# Altium PCB HeaterController.PcbDoc
Units mm, origin at the board's own origin, x right, y up, seen from the top; angles counter-clockwise.
Board outline 79 x 34 mm, 2 copper layers (Top Layer, Bottom Layer); 8 components, 9 nets, 22 pads, 0 vias.
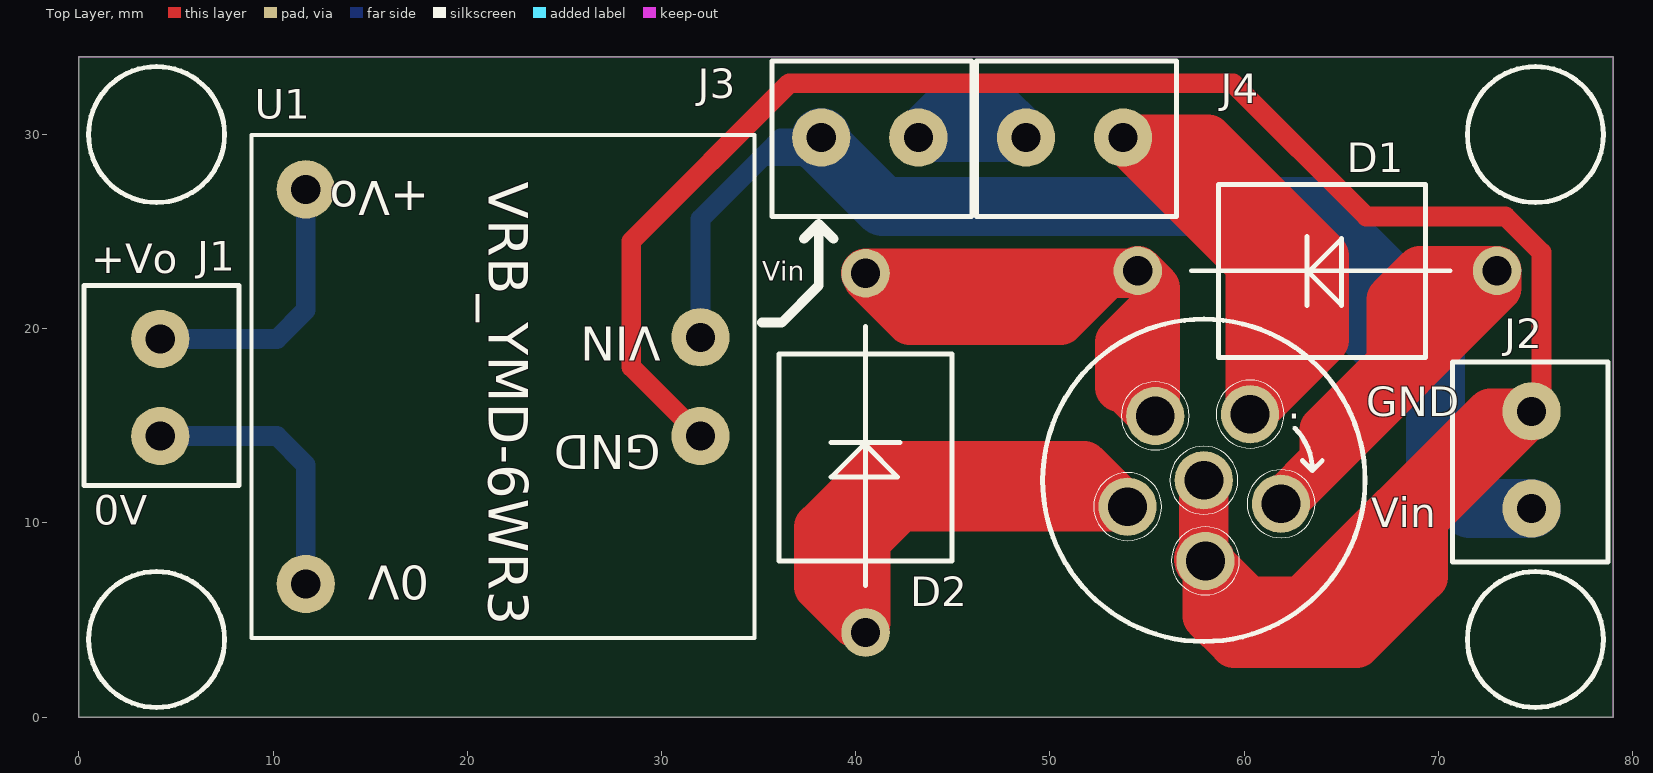
[diagram p0: Top Layer view]
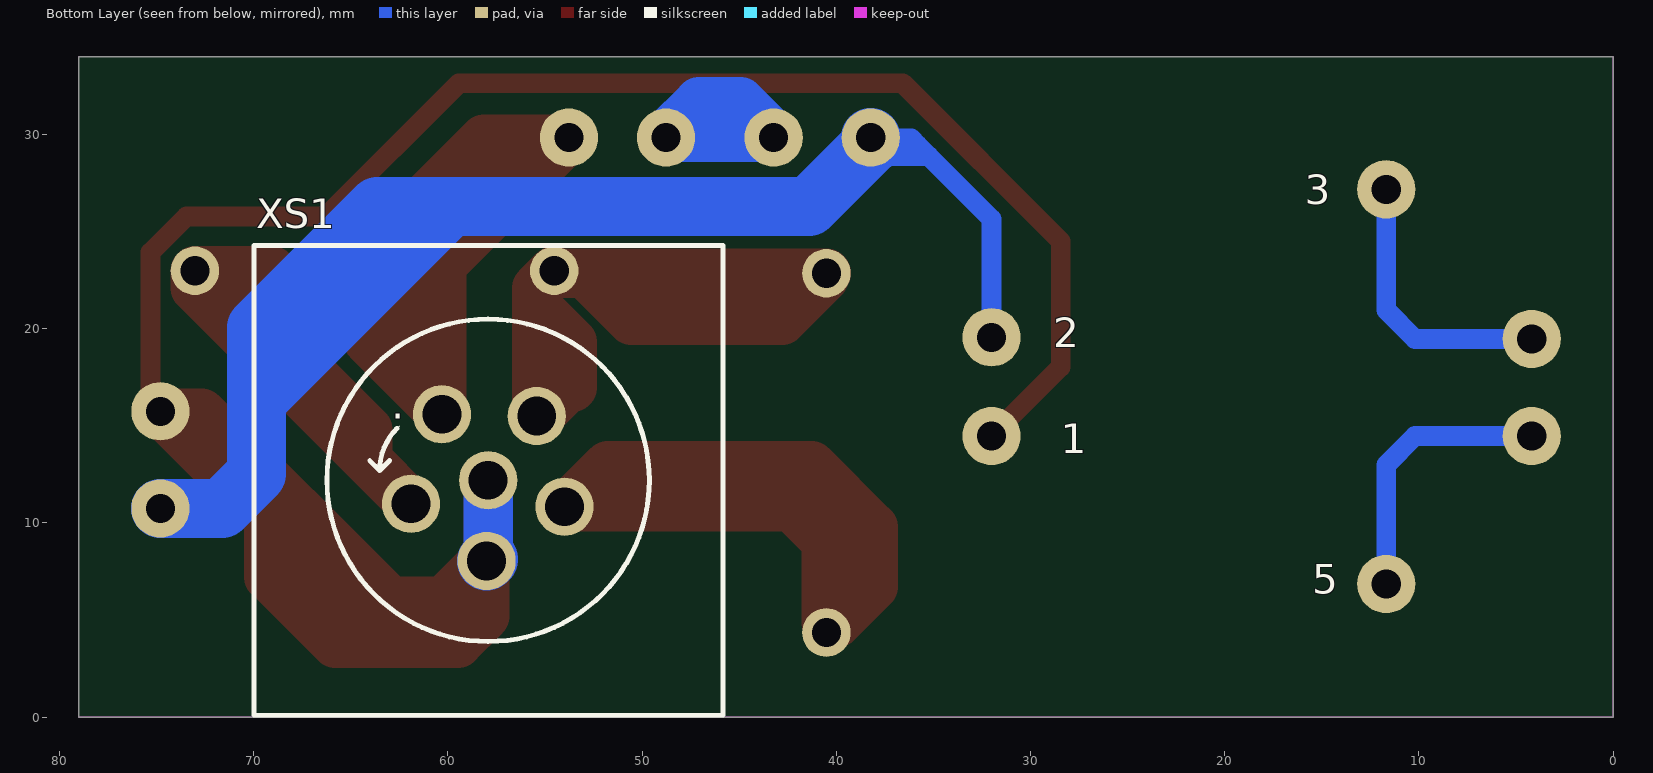
[diagram p1: Bottom Layer view, seen from below]
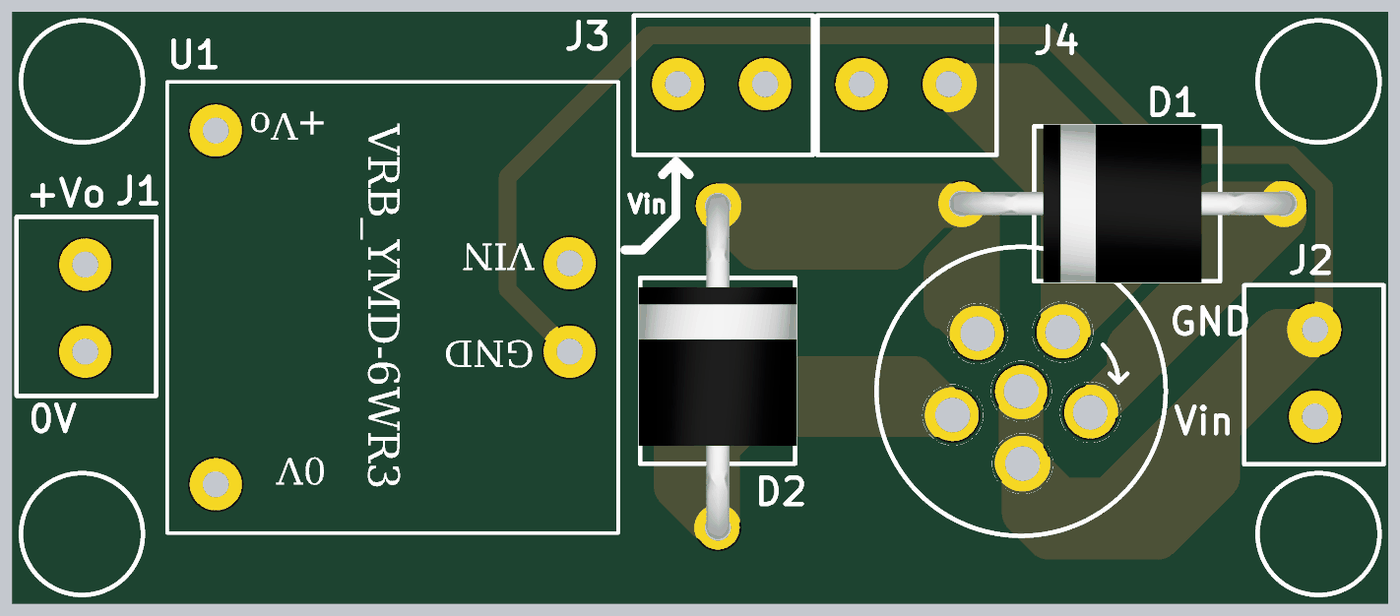
[diagram p2: 3D render of the assembled board from above, using the file's embedded part models]

## Layer stack, top to bottom
Top Solder: solder mask 0.0102, Solder Resist, Dk 3.5
Top Layer: signal copper 0.0356
Dielectric 1: dielectric 0.32, FR-4, Dk 4.8
Bottom Layer: signal copper 0.0356
Bottom Solder: solder mask 0.0102, Solder Resist, Dk 3.5

## Board outline
0,0 79,0 79,34 0,34

## Design rules (kind name [scope] priority, off if disabled: settings)
Clearance [All] p1: gap=0.254 ignorepadtopadclearanceinfootprint=FALSE except(0: Arc-Hole Track-Hole SMDPad-Hole THPad-Hole Via-Hole Fill-Hole Poly-Hole Region-Hole Text-Hole; 0.305: Arc-SMDPad Arc-THPad Arc-Via Track-SMDPad Track-THPad Track-Via; 0.508: Arc-Arc Arc-Track Track-Track)
PolygonConnect [All] p1: connectstyle=Relief reliefconductorwidth=0.254 reliefentries=4 polygonreliefangle="90 Angle" airgapwidth=0.254
RoutingVias [All] p1: holewidth=0.711 width=1.27 viastyle="Through Hole" minholewidth=0.711 minwidth=1.27 maxholewidth=0.711 maxwidth=1.27
SolderMaskExpansion [All] p1: expansion=0.102 istentingtop=FALSE
Width [All] p1: maxlimit=5.08 minlimit=0.254 preferedwidth=0.254
30 further rules are at their usual default settings.

## Components (designator, comment, footprint, x,y, rotation, side; value= is the part's Value field where it differs from the comment)
D1 "6A10" P600(R-6) 73.025,22.987 r180 top
D2 "6A0" P600(R-6) 40.513,4.36 r90 top
J1 "KF301(16A)-2P" KF301(16A)-2P 4.191,14.478 r90 top
J2 "KF301(16A)-2P" KF301(16A)-2P 74.803,15.748 r270 top
J3 "KF301(16A)-2P" KF301(16A)-2P 38.227,29.845 r0 top
J4 "KF301(16A)-2P" KF301(16A)-2P 48.768,29.845 r0 top
U1 "VRB4812YMD-6WR3" VRB_YMD-6WR3 21.844,17.018 r180 top
XS1 "XH17-B-16" XH17-B-16 57.926,12.197 r0 bottom locked

## Footprints (in the part's own frame and the unit in brackets; to place one, negate y for a bottom-side part, rotate by r counter-clockwise, add the part's x,y. Pads: shape width x height; smd on the part's side, far side on the other; paste and mask are expansions set on the pad)
KF301(16A)-2P [mm]
  round 3 hole 1.5: 1(0,0) 2(5,0)
  silkscreen extent -2.54,-4.06 7.75,3.94, body extent -2.49,-3.94 7.67,3.86, height 10.25
P600(R-6) [mm]
  round 2.5 hole 1.5: 1(0,0) 2(18.5,0)
  silkscreen extent 2.41,-4.44 15.75,4.47, body extent -0.64,-4.55 19.19,4.55, height 11.13
VRB_YMD-6WR3 [mm]
  round 3 hole 1.5: 1(-10.16,2.54) 2(-10.16,-2.54) 3(10.16,-10.16) 5(10.16,10.16)
  silkscreen extent -12.95,-12.95 12.95,12.95, body extent -12.7,-12.7 12.7,12.7, height 11.7
XH17-B-16 [mm]
  round 3 hole 2: 1(2.38,-3.4) 2(3.97,1.21) 3(0.08,4.15) 4(-3.93,1.36) 5(-2.5,-3.31) 6(0,0)
  silkscreen extent -12.08,-12.1 12.05,12.1, body extent -12.21,-12.2 12.19,12.2, height 18.3

## Part data
D1 D2: library part Diode, "Default Diode", Code_JEDEC=DO-214-AB, LatestRevisionDate=17-Jul-2002, LatestRevisionNote="Re-released for DXP Platform.", PackageDescription="DO-214-AB/SMC; 2 C-Bend Leads; Body 7.9 x 5.9 mm, inc. leads (LxW)", PackageReference=SMC, PackageVersion=Sep-1996, Published=8-Jun-2000, Publisher="Altium Limited"
J1 J2 J3 J4: library part "Header 2", "Header, 2-Pin", LatestRevisionDate=17-Jul-2002, LatestRevisionNote="Re-released for DXP Platform.", Publisher="Altium Limited"
U1: library part VRB_YMD-6WR3

## Nets (pads, with @x,y where several pads share a name; then routed paths per layer and width w, separated by ;. In a path a pad name is that pad's centre, name@x,y a point inside that pad or via, vN(x,y) a via of type N, cw(c..) or ccw(c..) an arc to the next point about the centre after c; other vN are vias at no path point)
12V+: J1.2 U1.3 | length 14.3
  Bottom Layer w1.018: J1.2 10.196,19.478 11.684,20.966 U1.3
12V-: J1.1 U1.5 | length 14.2
  Bottom Layer w1.018: J1.1 10.196,14.478 11.684,12.99 U1.5
24V+: J2.2 J3.1 U1.2 | length 81.6
  Bottom Layer w1.018: U1.2 32.004,25.654 35.243,28.892 ; J3.1@37.084,28.892 35.243,28.892 ; J3.1 J3.1@38.174,29.792 ; 35.243,28.892 35.816,29.466 ; 35.816,29.466 36.142,29.792 J3.1@38.174,29.792 ; 35.816,29.466 37.848,29.466 J3.1@38.174,29.792
  Bottom Layer w3.048: J3.1 38.227,29.464 41.402,26.289 59.861,26.289 ; J2.2 71.635,10.748 69.85,12.533 69.85,16.3 ; 59.861,26.289 63.627,26.289 69.85,20.066 69.85,16.3 ; 59.861,26.289 69.85,16.3
GND: J2.1 U1.1 XS1.3 XS1.6 | length 139.5
  Top Layer w1.018: U1.1 28.448,18.034 28.448,24.511 36.576,32.639 59.436,32.639 66.294,25.781 73.465,25.781 75.312,23.934 75.312,20.364 75.311,20.363 75.311,16.256 J2.1 ; XS1.6@57.912,12.211 XS1.6
  Top Layer w2.54: XS1.3@57.926,8.127 XS1.6 ; J2.1 J2.1@74.715,15.66 ; 62.865,3.81 69.215,10.16 ; 62.865,3.81 65.786,3.81 69.215,7.239 69.215,10.16 ; 62.865,3.81 59.493,3.81 58.094,5.21 58.094,7.959 XS1.3 58.13,8.047 60.208,5.969 62.992,5.969 72.683,15.66 J2.1@74.715,15.66 ; 69.215,10.16 J2.1@74.715,15.66
  Top Layer w3.048: XS1.3@57.926,8.127 XS1.3
  Bottom Layer w2.54: XS1.3@57.926,8.127 XS1.6
  Bottom Layer w3.048: XS1.3@57.926,8.127 XS1.3
NetD1_1: D1.1 XS1.2 | length 37.8
  Top Layer w2.54: XS1.2 64.126,13.217 ; 66.956,17.626 64.126,14.796 64.126,13.217 ; 67.564,16.656 67.564,19.939 ; 71.038,22.987 70.612,22.987 ; 64.126,13.217 73.025,22.117 D1.1 70.612,22.987 ; 67.564,19.939 70.612,22.987 ; 67.564,19.939 67.564,21.499 69.052,22.987 70.612,22.987
NetD1_2: D1.2 D2.2 XS1.5 | length 43.3
  Top Layer w1.018: XS1.5 XS1.5@55.426,16.044
  Top Layer w2.54: D2.2 54.398,22.86 D1.2 55.426,22.086 55.426,21.136 ; D2.2@40.64,22.606 42.799,20.447 50.546,20.447 52.832,22.733 ; XS1.5 55.301,15.507 53.813,16.995 53.594,16.995 53.594,19.304 55.426,21.136 ; XS1.5@55.426,16.044 55.426,21.136
NetD2_1: D2.1 XS1.4 | length 42.6
  Top Layer w2.54: XS1.4 XS1.4@53.871,10.837 ; XS1.4@53.871,10.837 42.298,10.837 40.513,9.052 40.513,4.868 39.963,4.868 38.1,6.731 38.1,9.779 41.275,12.954 51.754,12.954 XS1.4@53.871,10.837
NetJ3_2: J3.2 J4.1 | length 12.8
  Bottom Layer w2.54: J3.2@43.457,30.199 43.227,29.969 J3.2 43.434,29.845 J4.1 48.768,29.969 47.049,31.688 44.945,31.688 J3.2@43.457,30.2
Vin: J4.2 XS1.1 | length 57.8
  Top Layer w1.018: J4.2 53.856,29.757 J4.2@54.147,29.466
  Top Layer w2.54: J4.2@53.856,29.757 56.388,29.757 ; J4.2@54.147,29.466 60.306,23.307 ; 56.388,29.757 58.127,29.757 60.306,27.578 ; 56.388,29.757 60.306,25.839 ; 60.306,23.307 60.306,25.839 ; 60.306,23.307 XS1.1 62.486,17.778 ; 60.306,25.839 60.306,27.578 ; 60.306,27.578 61.976,25.908 ; 61.976,25.908 64.135,23.749 64.135,19.427 62.486,17.778 ; 61.976,25.908 61.976,18.288 62.486,17.778
  Bottom Layer w1.018: XS1.1@60.198,15.705 XS1.1

## Keep-outs
Keep-Out Layer:
  the board outline again, w0.013

## Silkscreen, mask and mechanical layers (free items; w line width, h text height)
Top Overlay:
  circle w0.013: c54.003,10.844 r1.75
  circle w0.013: c58.006,8.047 r1.75
  circle w0.013: c61.902,10.99 r1.75
  circle w0.013: c60.308,15.605 r1.75
  circle w0.013: c57.929,12.2 r1.75
  circle w0.013: c55.426,15.515 r1.75
  circle w0.254: c4,30 r3.5
  circle w0.254: c4,4 r3.5
  circle w0.254: c75,4 r3.5
  circle w0.254: c75,30 r3.5
  lines w0.508: 35.179,20.32 36.195,20.32 38.1,22.225 38.1,25.4 ; 37.338,24.638 38.1,25.4 ; 38.862,24.638 38.1,25.4
  text "+Vo" at 0.635,22.86 h1.52
  text "Vin" at 35.179,22.479 h1
  text "GND" at 66.294,15.494 h1.52
  text "0V" at 0.762,9.906 h1.52
  text "Vin" at 66.548,9.779 h1.52
Bottom Overlay:
  text "3" at 15.875,26.416 h1.52
  text "2" at 28.829,19.05 h1.52
  text "1" at 28.448,13.589 h1.52
  text "5" at 15.494,6.35 h1.52
Mechanical 1:
  circle w0.013: c4,4 r1.75
  circle w0.013: c4,30 r1.75
  circle w0.013: c75,30 r1.75
  circle w0.013: c75,4 r1.75
  lines w0.013: 0,0 0,34 79,34 79,0 0,0

## Text inside footprints (layer, text, board x,y; h text height)
U1: Top Overlay "GND" at 29.969,15.113 h3 r180; Top Overlay "VIN" at 29.972,20.701 h3 r180; Top Overlay "+Vo" at 18.034,28.194 h3 r180; Top Overlay "0V" at 18.034,8.382 h3 r180; Top Overlay "VRB_YMD-6WR3" at 20.447,27.559 h3.5 r270